# Altium PCB SVEC.pcbdoc (part 11 of 18) (continued)
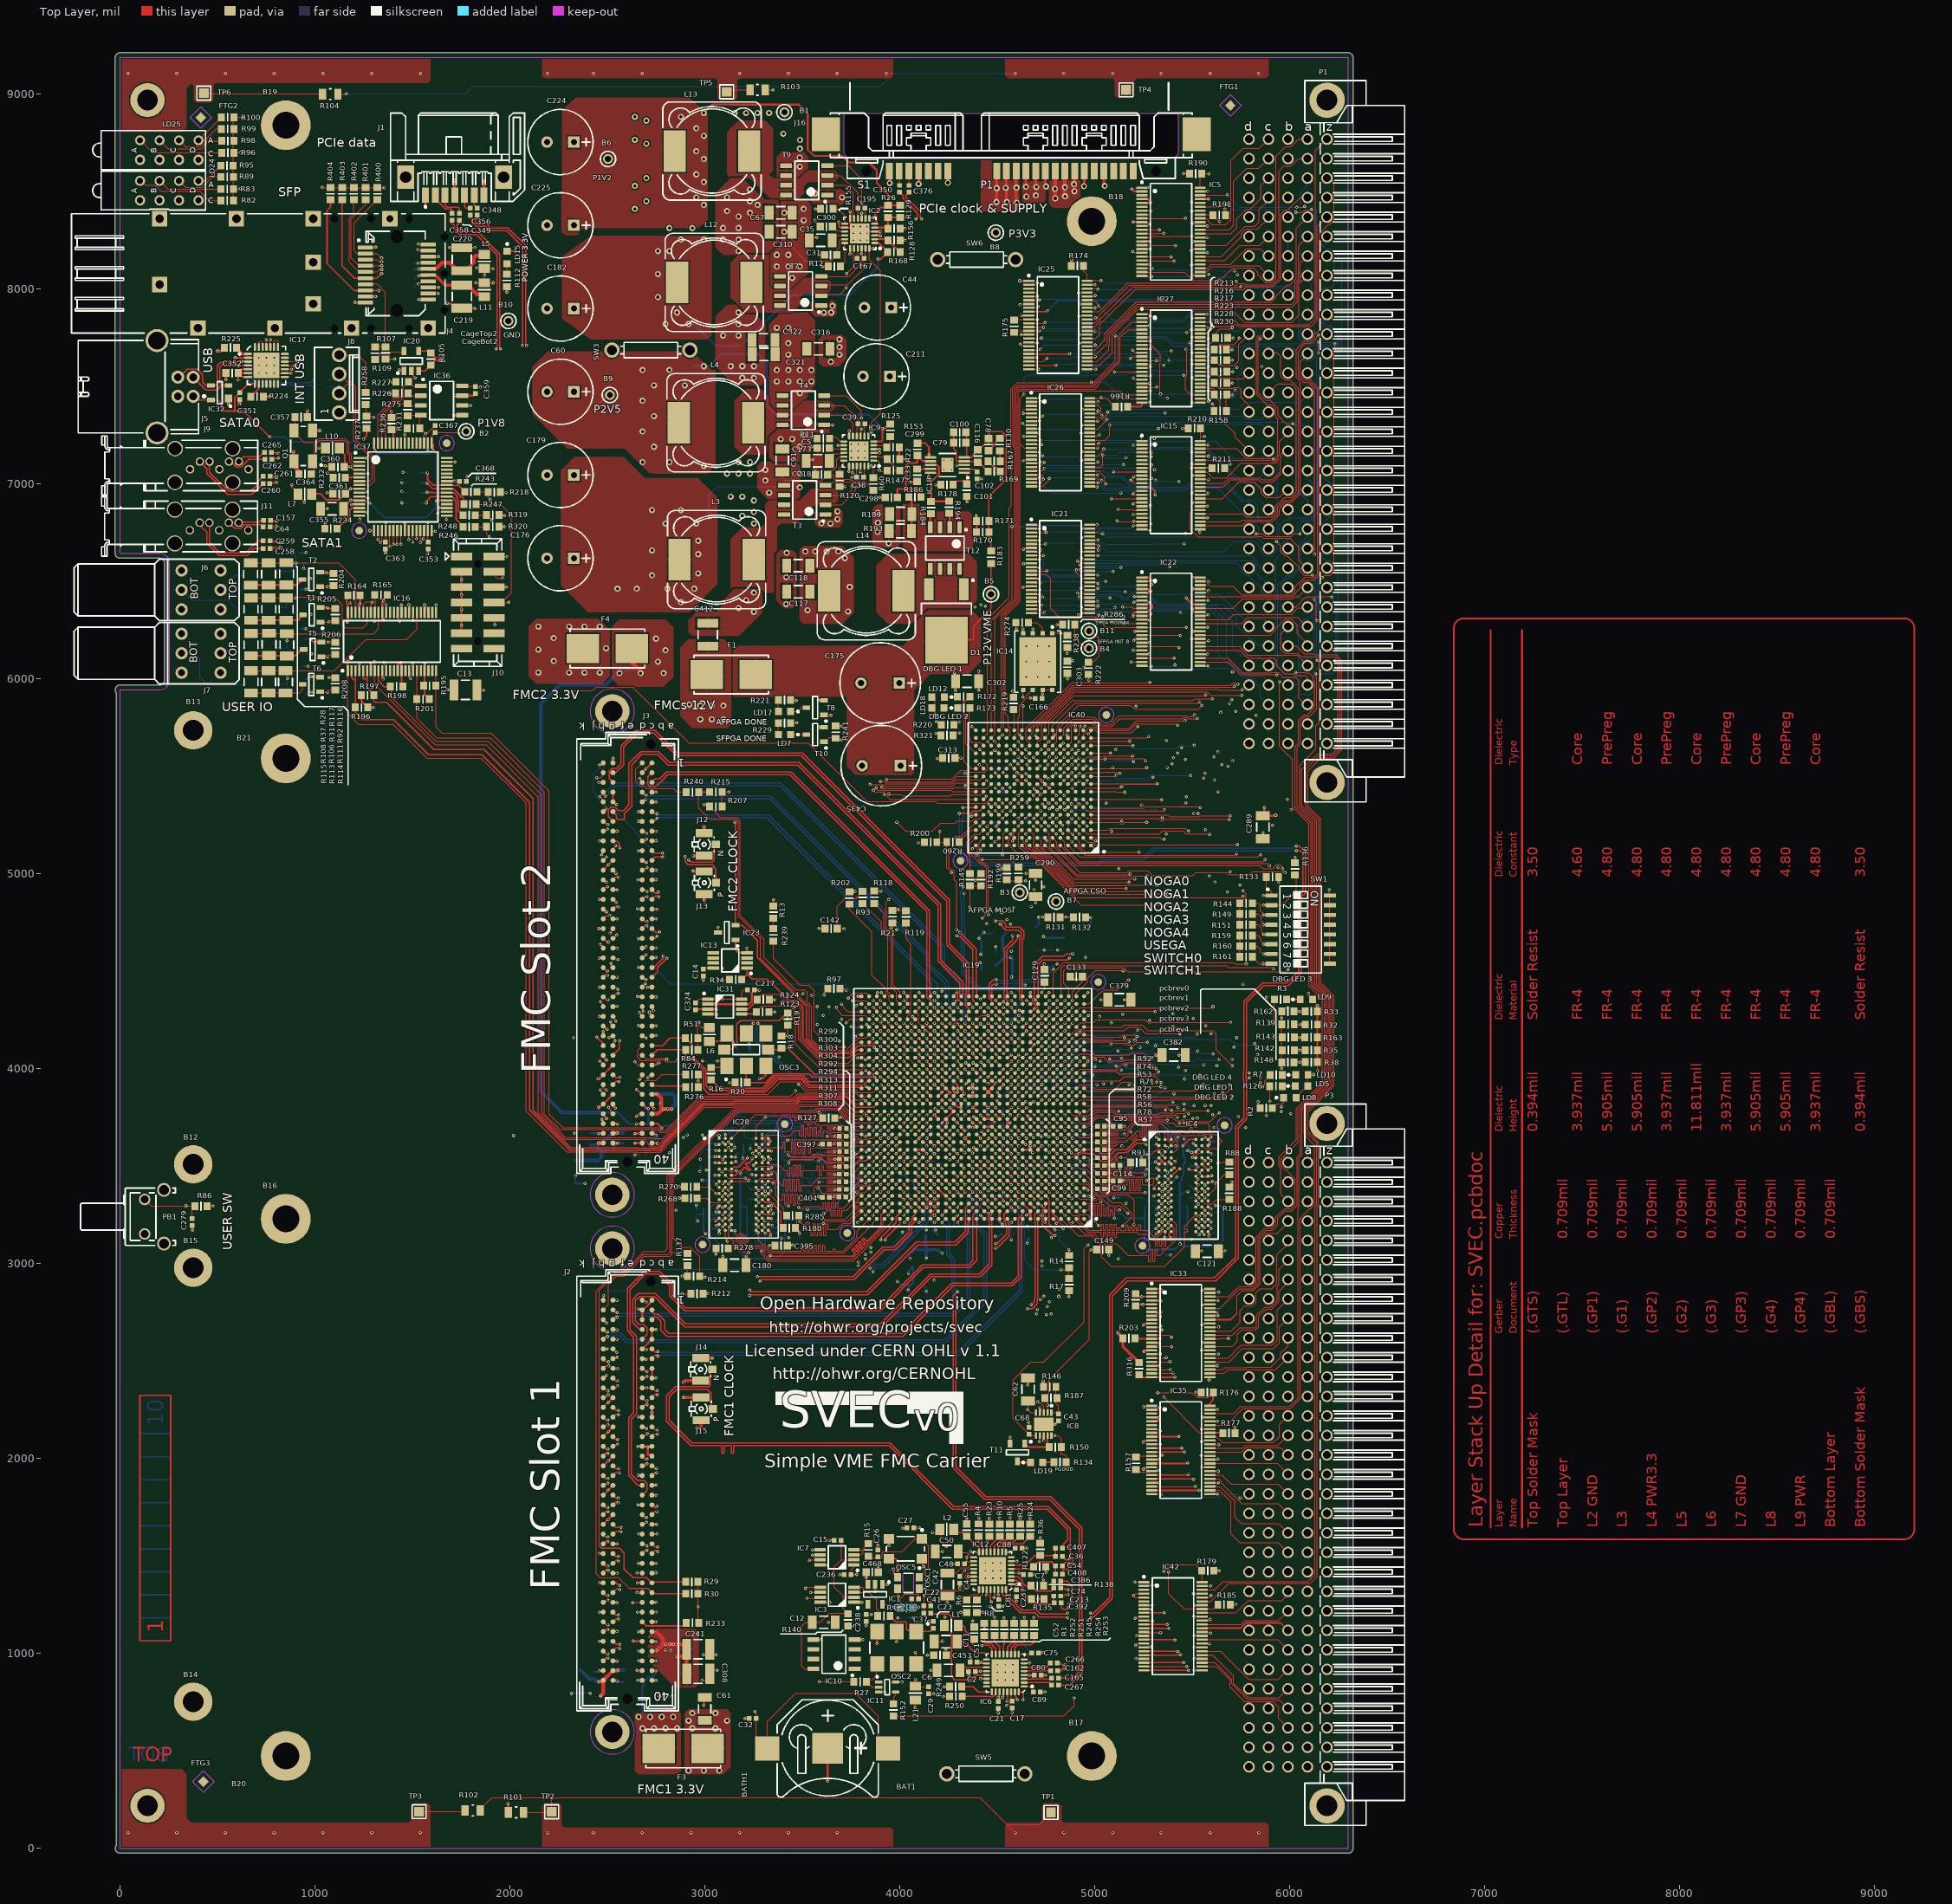
[diagram p0: Top Layer view]
## Nets (pads, with @x,y where several pads share a name; then routed paths per layer and width w, separated by ;. In a path a pad name is that pad's centre, name@x,y a point inside that pad or via, vN(x,y) a via of type N, cw(c..) or ccw(c..) an arc to the next point about the centre after c; other vN are vias at no path point) (continued)
  L3 w4: v1(4729.69,2989.64) 4724.1,2989.64 4723.95,2989.48 4723.95,2898.08 5145.55,2476.48 5145.55,2238.48 5227.55,2156.48 5227.55,1711.48 5418.52,1520.51 5664.52,1520.51 5716.02,1469.01 6118.05,1469.01 6153.55,1433.51 6153.55,1281.51 6128.55,1256.51 6112.55,1256.51 6090.55,1234.51 P3.a24@6090.55,1218.51
  L8 w4: v1(4688.51,3485.55) 4712.39,3461.67 4732.01,3461.67 4741.76,3451.92 4741.76,3327.09 4739.69,3325.02 4739.69,3240.94 4702.39,3203.64 4702.39,3011.04 4723.95,2989.48 4724.1,2989.64 v1(4729.69,2989.64)
P2_DATA_N8: IC19.K17 P3.a27 | length 3992.9
  Top Layer w6: IC19.K17@4314.5,3583.97 4327.96,3570.51 v1@4335.55,3570.51
  L3 w4: v1(4751.51,2737.51) 4751.81,2737.51 4764.07,2725.26 4764.07,2618.02 5036.55,2345.54 5036.55,2179.51 5111.55,2104.51 5111.55,1605.54 5506.58,1210.51 5645.58,1210.51 5692.58,1163.51 5907.55,1163.51 5932.55,1138.51 5932.55,1006.54 5977.58,961.51 6047.55,961.51 P3.a27@6090.55,918.51
  L6 w4: v1(4332.69,3569.64) 4362.33,3540 4384.84,3540 4423,3578.16 4536.78,3578.16 4536.94,3578 4564.5,3578 4564.66,3578.16 4578.84,3578.16 4584.28,3572.72 4584.28,3477.28 4599.89,3461.67 4613.66,3461.67 4615.28,3460.05 4615.52,3460.05 4623.65,3451.92 4623.65,3437.91 4640.88,3420.68 4654.89,3420.68 4663.69,3411.88 4663.69,3395.5 4676.25,3382.93 4732.01,3382.93 4741.76,3373.18 4741.76,3345.13 4782.75,3304.13 4782.75,3278.81 4817.05,3244.51 4817.05,3192.77 4814.68,3190.39 4814.68,3055.48 4790.62,3031.43 4790.62,2779.58 4751.51,2740.46 v1@4751.51,2740.28 ; v1(4751.51,2737.51) v1@4751.51,2740.28 ; 4790.62,2776.63 4771.32,2757.33 4768.55,2757.33 v1@4751.51,2740.28
P2_DATA_N9: IC19.L10 P3.a30 | length 3952.5
  Top Layer w6: IC19.L10@4590.09,3623.34 4605.92,3607.51 v1@4607.55,3607.51
  L3 w4: v1(4704.26,2765.07) 4700.39,2765.07 4682.51,2747.2 4682.51,2735.7 4692.52,2725.7 4692.52,2554.81 4948.55,2298.77 4948.55,2097.51 4996.55,2049.51 4996.55,1456.51 5231.55,1221.51 5231.55,1145.54 5335.55,1041.54 5335.55,930.54 5495.58,770.51 5915.55,770.51 5938.55,747.51 5938.55,682.54 5958.58,662.51 6046.55,662.51 P3.a30@6090.55,618.51
  L8 w4: v1(4609.77,3603.66) 4608.7,3603.66 4595.9,3590.85 4595.9,2903.43 4704.26,2795.07 v1(4704.26,2765.07)
P2_DATA_N10: IC19.AG7 P3.d3 | length 2379.3
  Top Layer w6: IC19.AG7@4708.2,4253.26 4716.86,4253.26 4725.69,4262.09 v1@4725.69,4275.64
  L3 w4: v1@4726.23,4271.64 4726.23,4279.6 4729.69,4283.06 4729.69,4311.23 4743.38,4324.92 4743.38,4331.5 4750.81,4338.94 4750.81,4396.39 4758.94,4404.51 4761.09,4404.51 4761.51,4404.93 4761.51,4405.46 4771.7,4415.65 4771.7,4416.65 4863.55,4508.51 5131.93,4508.51 5139.81,4516.38 5151.3,4516.38 5159.17,4508.51 5437.58,4508.51 5695.58,4250.51 5736.58,4250.51 5850.55,4136.54 5850.55,4020.48 5804.43,3974.35 5804.43,3946.76 5803.55,3945.89 5803.55,3780.48 5740.55,3717.48 5740.55,3372.54 5756.45,3356.64 5786.69,3356.64 5790.55,3352.77 P3.d3@5790.55,3318.51
  other v1: 4727.88,4272.95
P2_DATA_N11: IC19.AH6 P3.d6 | length 2500
  Top Layer w6: IC19.AH6@4747.57,4292.63 v1(4767.25,4312.32)
  L3 w4: v1(4767.25,4312.32) 4791.13,4336.19 4791.13,4383.94 4797.69,4390.5 4797.69,4390.64 4878.43,4471.38 5397.71,4471.38 5683.58,4185.51 5732.52,4185.51 5765.55,4152.48 5765.55,3989.1 5764.68,3988.22 5764.68,3823.63 5674.68,3733.63 5674.68,3272.38 5722.55,3224.51 5722.55,3073.54 5737.58,3058.51 5785.82,3058.51 5790.55,3053.77 P3.d6@5790.55,3018.51
P2_DATA_N12: IC19.AE8 P3.d9 | length 2874.7
  Top Layer w6: IC19.AE8@4668.83,4174.52 v1(4688.51,4194.21)
  L3 w4: v1(4688.51,4194.21) 4702.39,4208.08 4738.98,4208.08 4753.38,4222.48 4753.38,4239.32 4761.51,4247.45 4766.64,4247.45 4766.83,4247.64 4780.66,4247.64 4793.13,4260.11 4793.13,4266.44 4792.75,4266.82 4792.75,4278.69 4800.88,4286.82 4819.18,4286.82 4832.12,4299.76 4832.12,4382.07 4868.55,4418.51 5396.58,4418.51 5688.58,4126.51 5715.17,4126.51 5717.17,4124.51 5719.43,4124.51 5727.56,4116.39 5727.56,4104.89 5726.43,4103.76 5726.43,3841.48 5644.43,3759.48 5644.43,3129.51 5632.55,3117.64 5632.55,3046.51 5649.43,3029.63 5649.43,2829.66 5716.58,2762.51 5746.55,2762.51 P3.d9@5790.55,2718.51
P2_DATA_N13: IC19.AF9 P3.d12 | length 3439.6
  Top Layer w6: IC19.AF9@4629.46,4213.89 4629.94,4213.89 4643.55,4227.51
  L3 w4: v1(4649.14,4233.58) 4664.64,4249.07 4664.64,4340.58 4664.69,4340.63 4664.69,4363.64 4696.01,4394.96 4696.01,4404.26 4764.24,4472.49 4775.54,4472.49 4854.68,4551.63 5471.97,4551.63 5719.09,4304.51 5748.55,4304.51 5898.55,4154.51 5898.55,3936.51 5884.05,3922.01 5884.05,3917.6 5885.43,3916.22 5885.43,3894.79 5884.43,3893.79 5884.43,3881.79 5884.05,3881.41 5884.05,3787.01 5847.55,3750.51 5847.55,2475.51 5828.55,2456.51 5794.66,2456.51 5790.55,2452.4 P3.d12@5790.55,2418.51
P2_DATA_N14: IC19.C6 P3.d15 | length 1863
  Top Layer w6: 4730.73,3235.64 4728.68,3233.6 ; IC19.C6@4747.57,3308.49 IC19.C6@4747.57,3308.38 4747.57,3292.83 4730.73,3275.99 4730.73,3262.03 4737.4,3255.36 4737.4,3243.29 4728.68,3234.57 4728.68,3233.6 ; v1(4796.55,3144.51) 4787.55,3144.51 4762.55,3169.51 4758.52,3169.51 4728.68,3199.34 4728.68,3233.6
  L3 w4: v1(4796.55,3144.51) 4797.69,3145.64 4811.43,3145.64 4871.69,3085.38 4872.3,3085.38 4880.43,3077.25 4880.43,3070.9 5021.82,2929.51 5314.55,2929.51 5481.55,2762.51 5481.55,2424.54 5744.57,2161.52 5785.81,2161.52 5790.55,2156.77 P3.d15@5790.55,2118.51 P3.d15@5787.58,2118.51
P2_DATA_N15: IC19.D7 P3.d18 | length 2255.6
  Top Layer w6: IC19.D7@4708.2,3347.75 4708.2,3343.86 4720.55,3331.51 v1@4730.55,3331.51
  L3 w4: v1(4727.69,3332.64) 4749.56,3310.77 4749.56,3276.51 4749.56,3276.37 4740.83,3267.64 4737.83,3264.64 4737.69,3264.64 4717.07,3264.64 4707.81,3255.39 4707.81,3243.89 4710.39,3241.32 4710.39,3128.81 4837.82,3001.38 4838.76,3001.38 4857.43,2982.71 4857.43,2981.77 4983.7,2855.51 5025.55,2855.51 5295.55,2585.51 5295.55,2489.51 5392.55,2392.51 5392.55,2188.51 5525.55,2055.51 5619.52,2055.51 5698.52,1976.51 5829.52,1976.51 5846.55,1959.48 5846.55,1887.54 5833.52,1874.51 5799.55,1874.51 5790.55,1865.51 P3.d18@5790.55,1818.51
P2_DATA_N16: IC19.E8 P3.d21 | length 2598.1
  Top Layer w6: IC19.E8@4668.83,3387.12 4668.83,3384.23 v1@4682.55,3370.51 ; 4679.55,3370.51 v1@4682.55,3370.51 ; v1@4684.55,3364.51 4682.55,3366.51 v1@4682.55,3370.51
  L3 w4: v1(4814.5,2832) 4822.87,2832 4822.87,2829.17 4890.54,2761.51 4952.58,2761.51 5175.55,2538.54 5175.55,2420.51 5215.55,2380.51 5215.55,2229.51 5285.55,2159.51 5285.55,1727.54 5450.58,1562.51 5746.55,1562.51 P3.d21@5790.55,1518.51
  L8 w4: v1(4688.51,3367.44) 4674.64,3353.56 4674.64,3282.95 4676.69,3280.9 4676.69,3114.4 4677.56,3113.53 4677.56,3000.44 4707.36,2970.64 4735.69,2970.64 4813.19,2893.14 4816.64,2893.14 4833.62,2876.16 4833.62,2851.12 v1(4814.5,2832)
P2_DATA_N17: IC19.G17 P3.d24 | length 3167.6
  Top Layer w6: IC19.G17@4314.5,3465.86 4314.5,3457.56 4324.55,3447.51
  L3 w4: v1(4755.44,2780.82) 4765.27,2780.82 5087.55,2458.54 5087.55,2204.51 5164.55,2127.51 5164.55,1667.51 5567.68,1264.38 5744.68,1264.38 P3.d24@5790.55,1218.51
  L6 w4: v1(4334.18,3446.18) 4348.65,3460.64 4536.19,3460.64 4546.53,3450.3 4546.53,3436.29 4560.52,3422.3 4574.53,3422.3 4585.9,3410.93 4585.9,3396.92 4599.89,3382.93 4613.9,3382.93 4625.27,3371.56 4625.27,3357.55 4639.26,3343.56 4653.27,3343.56 4664.64,3332.19 4664.64,3274.69 4675.69,3263.64 4737.69,3263.64 4757.43,3243.9 4757.43,3204.21 4753.1,3199.88 4753.1,2812.74 4751.38,2811.02 4751.38,2784.88 v1(4755.44,2780.82)
P2_DATA_N18: IC19.J10 P3.d27 | length 3250.4
  Top Layer w6: IC19.J10@4590.09,3544.6 4590.09,3541.97 4602.55,3529.51
  L3 w4: v1(4720.01,2816.25) 4720.01,2693.73 4725.89,2687.86 4725.89,2597.78 4991.55,2332.11 4991.55,2151.51 5060.55,2082.51 5060.55,1534.54 5439.55,1155.54 5439.55,1046.94 5493.99,992.51 5541.55,992.51 5571.55,962.51 5746.55,962.51 P3.d27@5790.55,918.51
  L8 w4: v1@4606.85,3527.84 v1(4609.77,3524.92) 4623.65,3511.04 4623.65,3282.95 4623.52,3282.82 4623.52,2917.18 4720.01,2820.69 v1(4720.01,2816.25)
P2_DATA_N19: IC19.A7 P3.d30 | length 3310.1
  Top Layer w6: 4660.96,2769.01 4679.77,2769.01 4705.14,2794.38 4705.14,2822.42 4706.45,2823.73 4706.45,3212.89 4708.2,3214.64 IC19.A7@4708.2,3229.64
  L3 w4: v1(4652.69,2768.64) 4660.96,2760.37 4660.96,2532.1 4878.04,2315.02 4878.04,2055.02 4912.55,2020.51 4912.55,1422.51 5169.55,1165.51 5169.55,902.54 5409.58,662.51 5746.55,662.51 P3.d30@5790.55,618.51
P2_DATA_P0: IC19.AA11 P3.a2 | length 3134.4
  Top Layer w6: IC19.AA11@4550.72,4017.04 v1(4570.4,4036.73)
  L3 w4: v1(4570.4,4036.73) 4570.4,4048.36 4594.81,4072.77 4594.81,4254.9 4595.69,4255.77 4595.69,4424.64 4817.55,4646.51 5601.55,4646.51 5795.55,4452.51 5869.17,4452.51 6002.43,4319.25 6002.43,4303.66 6024.68,4281.41 6024.68,4182.54 6016.68,4174.54 6016.68,3777 6019.05,3774.63 6019.05,3763.13 6016.68,3760.76 6016.68,3667.38 6133.55,3550.51 6133.55,3392.51 6120.55,3379.51 6095.82,3379.51 6090.55,3384.77 P3.a2@6090.55,3418.51
P2_DATA_P1: IC19.W12 P3.a5 | length 3812.5
  Top Layer w6: IC19.W12@4511.35,3938.3 v1(4531.03,3957.99)
  L3 w4: v1(4531.03,3957.99) 4553.69,3980.64 4553.69,4005.87 4555.55,4007.73 4555.55,4061.66 4556.53,4062.64 4556.53,4149.09 4556.53,4160.58 4556.53,4188.46 4556.53,4199.95 4556.53,4227.83 4556.53,4239.32 4556.53,4306.57 4556.53,4318.06 4556.53,4345.94 4556.53,4357.43 4556.53,4385.31 4556.53,4396.8 4556.53,4471.1 4558.81,4473.39 4558.81,4475.39 4566.94,4483.51 4568.94,4483.51 4571.81,4486.38 4583.3,4486.38 4583.36,4486.32 4778.55,4681.51 5668.55,4681.51 5867.55,4482.51 5891.58,4482.51 6066.43,4307.66 6066.43,3671.63 6157.55,3580.51 6212.55,3580.51 6243.55,3549.51 6243.55,3079.51 6237.55,3073.51 6135.55,3073.51 P3.a5@6090.55,3118.51
P2_DATA_P2: IC19.AB10 P3.a8 | length 3511.4
  Top Layer w6: IC19.AB10@4590.09,4056.41 4596.46,4056.41 v1@4609.55,4069.51
  L3 w4: v1@4609.77,4076.1 4616.14,4076.1 4624.69,4084.64 4624.69,4281.64 4625.65,4282.6 4625.65,4336.68 4625.27,4337.06 4625.27,4392.6 4636.68,4404.01 4636.68,4404.26 4647.05,4414.63 4647.3,4414.63 4862.17,4629.51 5503.55,4629.51 5714.55,4418.51 5772.55,4418.51 5988.55,4202.51 5988.55,3660.48 6049.55,3599.48 6049.55,2787.51 6059.55,2777.51 6081.55,2777.51 6090.55,2786.51 P3.a8@6090.55,2818.51
  other v1: 4608.69,4071.64
P2_DATA_P3: IC19.AH7 P3.a11 | length 3581.8
  Top Layer w6: IC19.AH7@4708.2,4292.63 4708.2,4308.18 4691.36,4325.03 4691.36,4335.67 4680.68,4346.34 4680.68,4358.67 4688.52,4366.5 4688.52,4534.44 4732.14,4578.07 4841.11,4578.07 4852.55,4589.51 v1(4885.55,4589.51) 4882.55,4586.51 v1@4880.68,4588.38
  L3 w4: v1@4884.55,4588.51 v1(4885.55,4589.51) 4891.55,4595.51 4938.96,4595.51 4939.84,4596.38 4961.27,4596.38 4962.15,4595.51 5475.55,4595.51 5732.55,4338.51 5768.55,4338.51 5938.55,4168.51 5938.55,3912.51 5926.68,3900.63 5926.68,3549.59 5938.08,3538.19 5938.08,2491.98 5955.55,2474.51 6046.55,2474.51 P3.a11@6090.55,2518.51
P2_DATA_P4: IC19.F6 P3.a14 | length 2245.5
  Top Layer w6: IC19.F6@4747.57,3426.49 4747.57,3425.49 v1@4762.55,3410.51
  L3 w4: v1@4762.55,3410.51 4784.75,3388.31 4784.75,3349.9 4792.75,3341.9 4792.75,3257.9 4833.43,3217.22 4833.43,3195.79 4831.13,3193.49 4831.53,3193.1 4824.68,3186.25 4824.68,3174.76 4832.81,3166.63 4840.41,3166.63 4876.93,3130.11 4876.93,3129.4 4897.33,3109.01 4915.62,3109.01 5039.12,2985.51 5361.55,2985.51 5513.55,2833.51 5583.52,2833.51 5662.55,2754.48 5662.55,2467.51 5752.55,2377.51 5908.55,2377.51 5952.55,2333.51 5952.55,2184.51 5962.55,2174.51 6046.55,2174.51 P3.a14@6090.55,2218.51
  other v1: 4767.25,3406.81
P2_DATA_P5: IC19.H7 P3.a17 | length 2682.6
  Top Layer w6: IC19.H7@4708.2,3496.86 IC19.H7@4708.2,3505.23 v1(4727.88,3485.55)
  L3 w4: v1(4727.88,3485.55) 4741.76,3471.67 4741.76,3454.75 4743.76,3452.75 4743.76,3439.6 4741.76,3437.6 4741.76,3389.73 4752.17,3379.31 4752.17,3346.48 4769.55,3329.1 4769.55,3190.54 4757.55,3178.54 4757.55,3130.51 4995.55,2892.51 5290.52,2892.51 5439.55,2743.48 5439.55,2218.51 5528.55,2129.51 5639.55,2129.51 5690.55,2078.51 5914.55,2078.51 5946.55,2046.51 5946.55,1895.51 5967.55,1874.51 6046.55,1874.51 P3.a17@6090.55,1918.51
P2_DATA_P6: IC19.D8 P3.a20 | length 2983.5
  Top Layer w6: IC19.D8@4668.83,3347.75 4676.31,3347.75 v1@4690.55,3333.51
  L3 w4: v1(4688.51,3328.07) 4674.64,3314.19 4674.64,3297.27 4672.64,3295.27 4672.64,3282.12 4672.69,3282.07 4672.69,3101.4 4796.14,2977.95 4796.14,2966.04 4801.68,2960.5 4801.68,2959.62 4949.11,2812.19 5001.27,2812.19 5227.68,2585.78 5227.68,2454.75 5292.81,2389.62 5292.81,2262.37 5317.55,2237.64 5322.66,2237.64 5334.37,2237.63 5344,2228 5344,2152.69 5354.01,2142.67 5354.72,2142.67 ; 5354.22,2143.17 5354.72,2142.67 ; P3.a20@6090.55,1618.51 6129.03,1580.03 6133.4,1580.03 6139.27,1585.91 6139.27,1735.51 6141.27,1737.51 6119.65,1759.14 5725.39,1759.14 5646.52,1680.27 5474.6,1680.27 5396.77,1758.1 5396.77,2100.62 5354.72,2142.67
P2_DATA_P7: IC19.J8 P3.a23 | length 3390.9
  Top Layer w6: IC19.J8@4668.83,3544.6 4682.55,3530.88 4682.55,3530.51
  L3 w4: v1(4727.88,3013.1) 4710.07,2995.29 4710.07,2894.99 5133.55,2471.51 5133.55,2233.51 5215.55,2151.51 5215.55,1706.51 5413.55,1508.51 5659.55,1508.51 5709.05,1459.01 6110.32,1459.01 6142.55,1426.77 6142.55,1291.51 6123.05,1272.01 6102.05,1272.01 6090.55,1283.51 P3.a23@6090.55,1318.51
  L8 w4: v1(4688.51,3524.92) 4714.01,3499.42 4714.01,3479.8 4722.14,3471.67 4733.63,3471.67 4733.72,3471.75 4733.8,3471.67 4736.15,3471.67 4753.38,3454.44 4753.38,3239.4 4713.02,3199.04 4713.02,3027.97 v1(4727.88,3013.1)
P2_DATA_P8: IC19.L17 P3.a26 | length 3952.2
  Top Layer w6: IC19.L17@4314.5,3623.34 4314.5,3620.56 v1@4335.55,3599.51
  L3 w4: v1(4775.13,2741.45) 4775.13,2623.93 5048.55,2350.51 5048.55,2184.48 5123.55,2109.48 5123.55,1610.51 5511.55,1222.51 5650.55,1222.51 5697.55,1175.51 5912.52,1175.51 5944.55,1143.48 5944.55,1011.51 5982.55,973.51 6045.55,973.51 P3.a26@6090.55,1018.51
  L6 w4: v1(4334.18,3603.66) 4347,3590.84 4347,3578 4348.56,3576.44 4348.56,3571.15 4366.94,3552.77 4383.26,3552.77 4418.65,3588.16 4540.92,3588.16 4541.08,3588 4560.2,3588 4560.36,3588.16 4582.98,3588.16 4583.14,3588 4584,3588 4594.28,3577.72 4594.28,3481.42 4604.03,3471.67 4621.62,3471.67 4635.27,3458.02 4635.27,3440.43 4643.4,3432.3 4657.41,3432.3 4673.69,3416.02 4673.69,3399.64 4680.4,3392.93 4736.15,3392.93 4751.76,3377.32 4751.76,3349.27 4792.75,3308.28 4792.75,3282.95 4828.38,3247.32 4828.38,3189.95 4824.68,3186.25 4824.68,3051.34 4800.62,3027.29 4800.62,2826.26 4800.88,2826 4800.88,2767.2 v1(4775.13,2741.45)
P2_DATA_P9: IC19.M10 P3.a29 | length 3981.8
  Top Layer w6: IC19.M10@4590.09,3662.71 v1(4609.77,3643.03)
  L3 w4: v1(4700.69,2741.64) 4696.58,2741.64 4696.39,2741.45 4702.33,2735.51 4702.33,2730.03 4702.52,2729.85 4702.52,2558.95 4960.55,2300.92 4960.55,2102.48 5008.55,2054.48 5008.55,1461.48 5243.55,1226.48 5243.55,1150.51 5347.55,1046.51 5347.55,935.51 5500.55,782.51 5920.52,782.51 5950.55,752.48 5950.55,687.51 5963.55,674.51 6046.55,674.51 P3.a29@6090.55,718.51
  L8 w4: v1(4609.77,3643.03) 4609.77,3626.1 4585.9,3602.23 4585.9,2899.29 4694.26,2790.92 4694.26,2777.52 4688.39,2771.65 4688.39,2758.5 4696.39,2750.5 4696.39,2741.45 4696.58,2741.64 v1(4700.69,2741.64)
P2_DATA_P10: IC19.AF7 P3.d2 | length 2502.1
  Top Layer w6: IC19.AF7@4708.2,4213.89 4708.2,4214.56 v1@4727.55,4233.91
  L3 w4: v1(4727.88,4233.58) 4711.69,4249.77 4711.69,4314.64 4740.56,4343.51 ; 4740.56,4396.39 4740.56,4343.51 ; P3.d2@5790.55,3418.51 5790.55,3373.51 5784.55,3367.51 5762.55,3367.51 5752.55,3377.51 5752.55,3712.51 5816.43,3776.38 5816.43,3969.38 5862.55,4015.51 5862.55,4141.51 5741.55,4262.51 5700.55,4262.51 5442.55,4520.51 5164.15,4520.51 5156.27,4528.38 5134.84,4528.38 5126.96,4520.51 4858.58,4520.51 4740.81,4402.74 4740.81,4343.77 4740.56,4343.51
P2_DATA_P11: IC19.AG6 P3.d5 | length 2575.9
  Top Layer w6: IC19.AG6@4747.57,4253.26 v1(4767.25,4272.95)
  L3 w4: v1(4767.25,4272.95) 4751.38,4288.82 4751.38,4318.89 4760.68,4328.19 4763.82,4328.19 4774.69,4339.06 4774.69,4339.5 4781.13,4345.94 4781.13,4391.05 4873.58,4483.51 5402.55,4483.51 5688.55,4197.51 5745.55,4197.51 5778.55,4164.51 5778.55,3985.13 5776.68,3983.25 5776.68,3818.66 5686.68,3728.66 5686.68,3277.35 5734.55,3229.48 5734.55,3078.51 5740.55,3072.51 5778.55,3072.51 5790.55,3084.51 P3.d5@5790.55,3118.51
P2_DATA_P12: IC19.AD8 P3.d8 | length 2955.1
  Top Layer w6: IC19.AD8@4668.83,4135.15 4668.83,4139.78 v1@4690.01,4160.96
  L3 w4: v1@4690.01,4160.96 4688.55,4159.51 4688.55,4156.51 4670.64,4174.42 4670.64,4201.61 4687.32,4218.29 4732.22,4218.29 4743.38,4229.45 4743.38,4243.47 4757.56,4257.64 4773.69,4257.64 4781.13,4265.08 4781.13,4284.04 4794.73,4297.64 4811.57,4297.64 4821.43,4307.5 4821.43,4388.35 4863.58,4430.51 5401.55,4430.51 5693.55,4138.51 5722.55,4138.51 5738.43,4122.63 5738.43,3836.51 5654.43,3752.51 5654.43,3125.37 5644.55,3115.5 5644.55,3051.48 5661.43,3034.6 5661.43,2834.63 5721.55,2774.51 5746.55,2774.51 P3.d8@5790.55,2818.51
  other v1: 4688.51,4154.84
P2_DATA_P13: IC19.AE9 P3.d11 | length 3434.6
  Top Layer w6: IC19.AE9@4629.46,4174.52 v1@4649.44,4194.51
  L3 w4: v1(4649.14,4194.21) 4662.01,4207.08 4662.01,4219.96 4674.64,4232.59 4674.64,4336.44 4674.69,4336.48 4674.69,4359.5 4706.01,4390.82 4706.01,4400.12 4766.38,4460.49 4780.51,4460.49 4861.65,4541.63 5461.43,4541.63 5710.55,4292.51 5743.55,4292.51 5886.55,4149.51 5886.55,3942.51 5869.55,3925.51 5869.55,3915.13 5873.43,3911.25 5873.43,3899.76 5872.17,3898.51 5872.43,3898.25 5872.43,3886.76 5869.55,3883.89 5869.55,3794.51 5835.55,3760.51 5835.55,2484.51 5826.55,2475.51 5800.69,2475.51 5790.55,2485.64 P3.d11@5790.55,2518.51
P2_DATA_P14: IC19.D6 P3.d14 | length 1863.3
  Top Layer w6: 4762.55,3335.51 4750.31,3347.75 IC19.D6@4747.57,3347.75 4764.41,3330.91 4764.41,3204.65 4795.55,3173.51 v1(4795.55,3172.51)
  L3 w4: v1(4795.55,3172.51) 4795.55,3170.78 4810.7,3155.64 4815.57,3155.64 4875.83,3095.38 4876.44,3095.38 4890.43,3081.39 4890.43,3075.91 5024.83,2941.51 5319.52,2941.51 5493.55,2767.48 5493.55,2429.51 5748.55,2174.51 5779.55,2174.51 5790.55,2185.51 P3.d14@5790.55,2218.51
P2_DATA_P15: IC19.E7 P3.d17 | length 2252.8
  Top Layer w6: IC19.E7@4708.2,3387.12 4708.2,3381.86 v1@4725.55,3364.51
  L3 w4: v1(4727.88,3367.44) 4727.88,3355.29 4711.81,3339.22 4711.81,3326.06 4726.24,3311.64 4728.31,3311.64 4739.56,3300.39 4739.56,3280.51 4733.69,3274.64 4712.93,3274.64 4697.81,3259.53 4697.81,3239.75 4700.39,3237.18 4700.39,3124.67 4833.68,2991.38 4834.61,2991.38 4847.43,2978.57 4847.43,2977.63 4981.55,2843.51 5020.58,2843.51 5283.55,2580.54 5283.55,2484.54 5380.55,2387.54 5380.55,2183.54 5520.58,2043.51 5614.55,2043.51 5693.55,1964.51 5824.55,1964.51 5834.55,1954.51 5834.55,1892.51 5828.55,1886.51 5799.55,1886.51 5790.55,1895.51 P3.d17@5790.55,1918.51
P2_DATA_P16: IC19.F8 P3.d20 | length 2600.6
  Top Layer w6: IC19.F8@4668.83,3426.49 4681.55,3413.77 4681.55,3412.51
  L3 w4: v1@4818.43,2871.37 4826.31,2863.5 4826.31,2842.64 4826.95,2842 4827.01,2842 4832.87,2836.14 4832.87,2833.32 4894.68,2771.51 4959.55,2771.51 5187.55,2543.51 5187.55,2425.48 5227.55,2385.48 5227.55,2234.48 5297.55,2164.48 5297.55,1732.51 5455.55,1574.51 5746.55,1574.51 P3.d20@5790.55,1618.51
  L8 w4: v1(4688.51,3406.81) 4666.69,3384.98 4666.69,3359.75 4664.64,3357.7 4664.64,3278.81 4666.69,3276.76 4666.69,3110.26 4667.56,3109.39 4667.56,2994.69 4701.61,2960.64 4729.17,2960.64 4803.19,2886.62 4803.19,2885 4818.55,2869.64 4820.17,2869.64 v1@4820.69,2869.12
  other v1: 4817.69,2869.64
P2_DATA_P17: IC19.H17 P3.d23 | length 3153
  Top Layer w6: IC19.H17@4314.5,3505.23 4314.5,3499.56 v1@4324.55,3489.51
  L3 w4: v1(4767.25,2804.44) 4767.25,2795.81 5099.55,2463.51 5099.55,2209.48 5176.55,2132.48 5176.55,1672.48 5572.65,1276.38 5748.43,1276.38 P3.d23@5790.55,1318.51
  L6 w4: v1@4334.18,3485.55 4349.09,3470.64 4540.33,3470.64 4556.53,3454.44 4556.53,3440.43 4564.66,3432.3 4578.67,3432.3 4595.9,3415.07 4595.9,3401.06 4604.03,3392.93 4618.04,3392.93 4635.27,3375.7 4635.27,3361.69 4643.4,3353.56 4657.41,3353.56 4674.64,3336.33 4674.64,3282.69 4682.51,3274.82 4742.92,3274.82 4767.43,3250.31 4767.43,3200.07 4763.1,3195.74 4763.1,2808.6 v1(4767.25,2804.44)
  other v1: 4329.69,3488.64
P2_DATA_P18: IC19.K10 P3.d26 | length 3287.3
  Top Layer w6: IC19.K10@4590.09,3583.97 4590.09,3580.97 4601.55,3569.51
  L3 w4: v1(4737.69,2833.64) 4737.39,2833.64 4735.76,2832 4735.76,2822.96 4735.88,2822.83 4735.88,2809.68 4730.01,2803.8 4730.01,2697.88 4735.89,2692 4735.89,2601.92 5003.55,2334.25 5003.55,2156.48 5072.55,2087.48 5072.55,1539.51 5451.55,1160.51 5451.55,1051.91 5498.96,1004.51 5546.52,1004.51 5576.52,974.51 5746.55,974.51 P3.d26@5790.55,1018.51
  L8 w4: v1(4609.77,3564.29) 4633.52,3540.54 4633.52,3515.31 4633.65,3515.18 4633.65,3278.81 4633.52,3278.68 4633.52,2921.32 4722.71,2832.13 4735.63,2832.13 4735.76,2832 4737.39,2833.64 v1(4737.69,2833.64)
P2_DATA_P19: IC19.B7 P3.d29 | length 3311.6
  Top Layer w6: v1(4672.77,2788.7) 4691.14,2807.07 4691.14,2828.21 4692.45,2829.53 4692.45,3221.57 4691.36,3222.66 4691.36,3252.17 IC19.B7@4708.2,3269.01
  L3 w4: v1(4672.77,2788.7) 4672.77,2537.26 4890.04,2319.99 4890.04,2059.99 4924.55,2025.48 4924.55,1427.48 5181.55,1170.48 5181.55,907.51 5414.55,674.51 5746.55,674.51 P3.d29@5790.55,718.51
P2_PLLFMC1_CLK_N: C54.1 P3.c26 | length 1691.7
  Top Layer w6: C54.1@4832.27,1449.51 4849.77,1467.01 4866.55,1467.01 4868.55,1465.01 v1(4868.55,1462.13)
  L8 w4: v1(4868.55,1462.13) 4897.93,1462.13 4946.05,1414.01 4946.05,1125.01 5225.55,845.51 5612.52,845.51 5665.55,898.54 5665.55,1048.51 5679.55,1062.51 5849.55,1062.51 5890.55,1021.51 P3.c26@5890.55,1018.51
P2_PLLFMC1_CLK_P: C36.1 P3.c25 | length 1696.5
  Top Layer w6: C36.1@4832.27,1498.51 4849.77,1481.01 4866.55,1481.01 4868.55,1483.01 v1(4868.55,1485.88)
  L8 w4: v1(4868.55,1485.88) 4891.15,1485.88 4919.04,1457.99 4922.55,1454.48 4958.05,1418.98 4958.05,1129.98 5230.52,857.51 5607.55,857.51 5653.55,903.51 5653.55,1053.48 5674.58,1074.51 5849.55,1074.51 5890.55,1115.51 P3.c25@5890.55,1118.51
P2_PLLFMC2_CLK_N: C213.1 P3.c30 | length 1486.6
  Top Layer w6: C213.1@4825.27,1294.51 4840.55,1294.51 4849.18,1303.13 v1(4861.55,1303.13)
  L8 w4: v1(4861.55,1303.13) 4876.93,1303.13 4888.55,1291.51 4888.55,1126.51 5213.55,801.51 5625.55,801.51 5671.55,755.51 5671.55,693.54 5703.58,661.51 5849.55,661.51 5890.55,620.51 P3.c30@5890.55,618.51
P2_PLLFMC2_CLK_P: C74.1 P3.c29 | length 1493.4
  Top Layer w6: C74.1@4825.27,1335.51 4840.55,1335.51 4849.18,1326.88 v1(4861.55,1326.88)
  L8 w4: v1(4861.55,1326.88) 4863.08,1326.88 4874.83,1315.13 4881.9,1315.13 4885.52,1311.51 4900.55,1296.48 4900.55,1281.1 4900.55,1253.48 4900.55,1131.48 5218.52,813.51 5630.52,813.51 5683.55,760.48 5683.55,698.51 5708.55,673.51 5849.55,673.51 5890.55,714.51 P3.c29@5890.55,718.51
P2V5: B9.1 C1.2 C60.1 C72.2 C77.2 C120.2 C122.2 C123.2 C124.2 C126.2 C128.2 C129.2 C139.2 C142.2 C148.2 C151.2 C168.2 C187.2 C188.2 C196.2 C205.2 C215.2 C347.2 C374.2 C375.2 IC9.6 IC19.AA12 IC19.AA16 IC19.AA20 IC19.AC10 IC19.AC18 IC19.AD13 IC19.AD21 IC19.AD23 IC19.AE16 IC19.AF8 IC19.AH25 IC19.AJ7 IC19.AJ16 IC19.B16 IC19.C7 IC19.C25 IC19.F16 IC19.G8 IC19.G13 IC19.G23 IC19.H10 IC19.H20 IC19.J17 IC19.K13 IC19.L9 IC19.L15 IC19.M17 IC19.M21 L4.2 R14.2 R21.1 R93.2 R119.2 R125.1 R139.2 R142.2 R143.2 R148.2 R162.2 R192.2 R199.2 R200.2 | length 5343.2
  Top Layer w5: 2456.5,7410.23 B9.1@2492.52,7446.26 ; v1(3713.55,4716.51) 3711.55,4718.51 C142.2@3678.05,4718.51 3678.05,4834 3717.55,4873.51 3778.55,4873.51 3778.55,4880 R93.2@3808.55,4910 ; R21.1@3961.55,4811 3985.05,4811 v1@3989.05,4815.01 ; v1(3991.55,4817.51) v1@3989.05,4815.01 ; IC19.C25@3999.54,3308.38 v1@4016.98,3290.93 ; IC19.AH25@3999.54,4292.63 4000.68,4292.63 4018.55,4310.51 v1@4022.55,4310.51 ; R119.2@4030.55,4810 3994.06,4810 v1@3989.05,4815.01 ; v1@4057.55,4154.51 4058.26,4154.51 v1(4058.59,4154.84) IC19.AD23@4078.28,4135.15 ; v1(4092.55,5160.51) 4093.55,5161.51 R200.2@4126.06,5161.51 ; v1@4137.55,4151.51 4136.55,4151.51 4135.55,4150.51 4150.91,4135.15 IC19.AD21@4157.02,4135.15 ; v1@4138.55,3636.51 4138.55,3644.25 IC19.M21@4157.02,3662.71 ; v1@4176.55,4035.51 4176.55,4036.58 v1(4176.7,4036.73) IC19.AA20@4196.39,4017.04 ; IC19.H20@4196.39,3505.23 4213.11,3488.51 v1@4213.55,3488.51 ; v1@4254.55,4115.51 4255.4,4115.51 IC19.AC18@4275.13,4095.78 ; v1@4294.55,3527.51 4311.65,3544.6 IC19.J17@4314.5,3544.6 ; 4299.55,3675.51 4300.55,3675.51 4313.35,3662.71 IC19.M17@4314.5,3662.71 ; v1@4338.55,4031.51 4353.02,4017.04 IC19.AA16@4353.87,4017.04 ; 4342.3,4194.51 4333.89,4194.51 IC19.AE16@4353.87,4174.52 ; IC19.B16@4353.87,3269.01 4361.06,3269.01 v1@4378.55,3286.51 ; IC19.F16@4353.87,3426.49 4354.57,3426.49 v1@4371.55,3409.51 ; IC19.AJ16@4353.87,4332 4363.06,4332 4372.55,4322.51 v1@4372.55,4318.51 ; v1(4387.55,4966.51) 4387.55,4973 R192.2@4415.55,5001 ; IC19.L15@4393.24,3623.34 v1(4412.92,3603.66) ; v1(4452.29,4154.84) IC19.AD13@4471.98,4135.15 ; IC19.G13@4471.98,3465.86 v1(4491.66,3446.18) ; IC19.K13@4471.98,3583.97 v1(4491.66,3564.29) ; 4498.55,4032.51 4511.35,4019.71 IC19.AA12@4511.35,4017.04 ; v1(4519.55,5026.51) 4525.05,5032 R199.2@4548.55,5032 ; IC19.H10@4590.09,3505.23 v1(4609.77,3485.55) v1(4609.77,3485.55) v1@4608.55,3485.51 ; IC19.AC10@4590.09,4095.78 4609.55,4115.25 v1@4609.55,4120.51 ; IC19.L9@4629.46,3623.34 4631.72,3623.34 v1(4643.69,3611.37) v1@4645.55,3609.51 ; IC19.G8@4668.83,3465.86 4677.55,3457.14 v1@4677.55,3448.51 ; IC19.AF8@4668.83,4213.89 v1(4688.51,4233.58) ; v1(4695.55,4352.51) 4708.2,4339.86 IC19.AJ7@4708.2,4332 ; IC19.C7@4708.2,3308.38 4714.68,3308.38 v1@4727.55,3295.51 ; v1@4726.55,4397.51 4731.55,4397.51 4741.55,4407.51 C129.2@4741.55,4445.01 ; v1(4866.55,3071.51) 4867.55,3070.51 R14.2@4867.55,3042 ; v1@5957.55,4004.51 5958.06,4005.01 R148.2@5958.06,4032.51 v1(5958.06,4259.51) R162.2@5958.06,4293.51
  Top Layer w6: IC19.G23@4074.34,3469.8 v1@4094.03,3450.11
  Top Layer w10: IC9.6@3865.33,7217.72 3904.77,7217.72 3910.55,7223.51 3910.55,7273.51 3944.05,7307 R125.1@3948.55,7307
  L6 w5: v1(4695.55,4352.51) 4695.55,4348.51 4747.55,4296.51 5232.18,4296.51 5262.55,4266.13 5480.18,4266.13 5485.93,4271.88 5945.68,4271.88 v1(5958.06,4259.51)
  Bottom Layer w5: v1@3574.55,4228.51 3575.61,4229.56 C375.2@3575.61,4272.51 ; v1@3575.55,4316.51 3575.61,4316.45 C375.2@3575.61,4272.51 ; v1@3606.55,4270.51 3604.55,4272.51 C375.2@3575.61,4272.51 ; C151.2@3999.27,3269.51 4012.55,3282.79 ; C347.2@3999.55,4294.79 3999.55,4302.51 4007.55,4310.51 v1@4022.55,4310.51 ; C168.2@4075.27,3469.51 4085.81,3458.97 ; v1@4138.55,3644.79 4149.42,3633.92 C1.2@4168.69,3633.92 ; v1@4294.55,3527.51 4306.55,3527.51 4315.84,3536.79 C188.2@4315.84,3545.51 ; v1@4338.55,4031.51 4338.55,4037.51 4355.84,4054.79 C205.2@4355.84,4055.51 ; C123.2@4390.27,3624.51 4392.07,3624.51 v1(4412.92,3603.66) ; 4498.55,4032.51 4501.27,4029.79 C215.2@4501.27,4007.51 ; C187.2@4595.84,4099.51 4609.55,4113.22 v1@4609.55,4120.51 ; v1@4688.51,4351.69 4692.69,4355.86 C126.2@4692.69,4375.92 ; C374.2@4694.55,4604.45 4698.11,4608.01 v1(4739.55,4608.01) C120.2@4769.55,4608.01 v1(4809.55,4608.01) C122.2@4842.55,4608.01 ; v1@4727.55,3295.51 4731.82,3295.51 4748.11,3279.22 C124.2@4749.55,3279.22 4771.84,3279.22 4781.55,3269.51 4781.55,3251.51 4820.93,3212.13 4820.93,3117.13 v1(4866.55,3071.51)
  Bottom Layer w6: C168.2@4076.4,3463.64 4078.69,3463.64 v1(4096.69,3445.64) ; C196.2@4211.4,3522.64 4211.4,3490.22 v1(4216.07,3485.55)
  Bottom Layer w10: 2945.55,7603.51 3020.55,7603.51 3085.55,7668.51 3270.55,7668.51 3315.55,7623.51 3315.55,7403.51 3364.68,7354.38 3839.68,7354.38 v1(3910.55,7283.51)
  other v1: 4019.22,3288.7 4373.55,3288.7 4725.69,3294.64 4373.55,3406.81 4681.69,3448.64 4294.81,3524.92 4137.33,3643.03 4294.81,3682.4 5957.69,4001.64 4337.69,4029.64 4491.66,4036.73 4255.44,4115.47 4609.77,4115.47 4137.33,4154.84 4334.18,4194.21 3576.69,4226.64 3607.69,4272.64 4019.22,4312.32 4373.55,4312.32 3575.69,4318.64 4726.69,4390.64
  other v2: 2994.49,7091.93 2679.53,7111.62 2817.33,7111.62 2738.59,7190.36 2679.53,7269.1 2738.59,7347.84 2679.53,7426.58 2738.59,7505.32 2896.07,7505.32 2679.53,7584.06 2817.33,7584.06 2994.49,7603.74